# Altium PCB EIT_Teensy_PCBMain.PcbDoc (part 2 of 2) (continued)
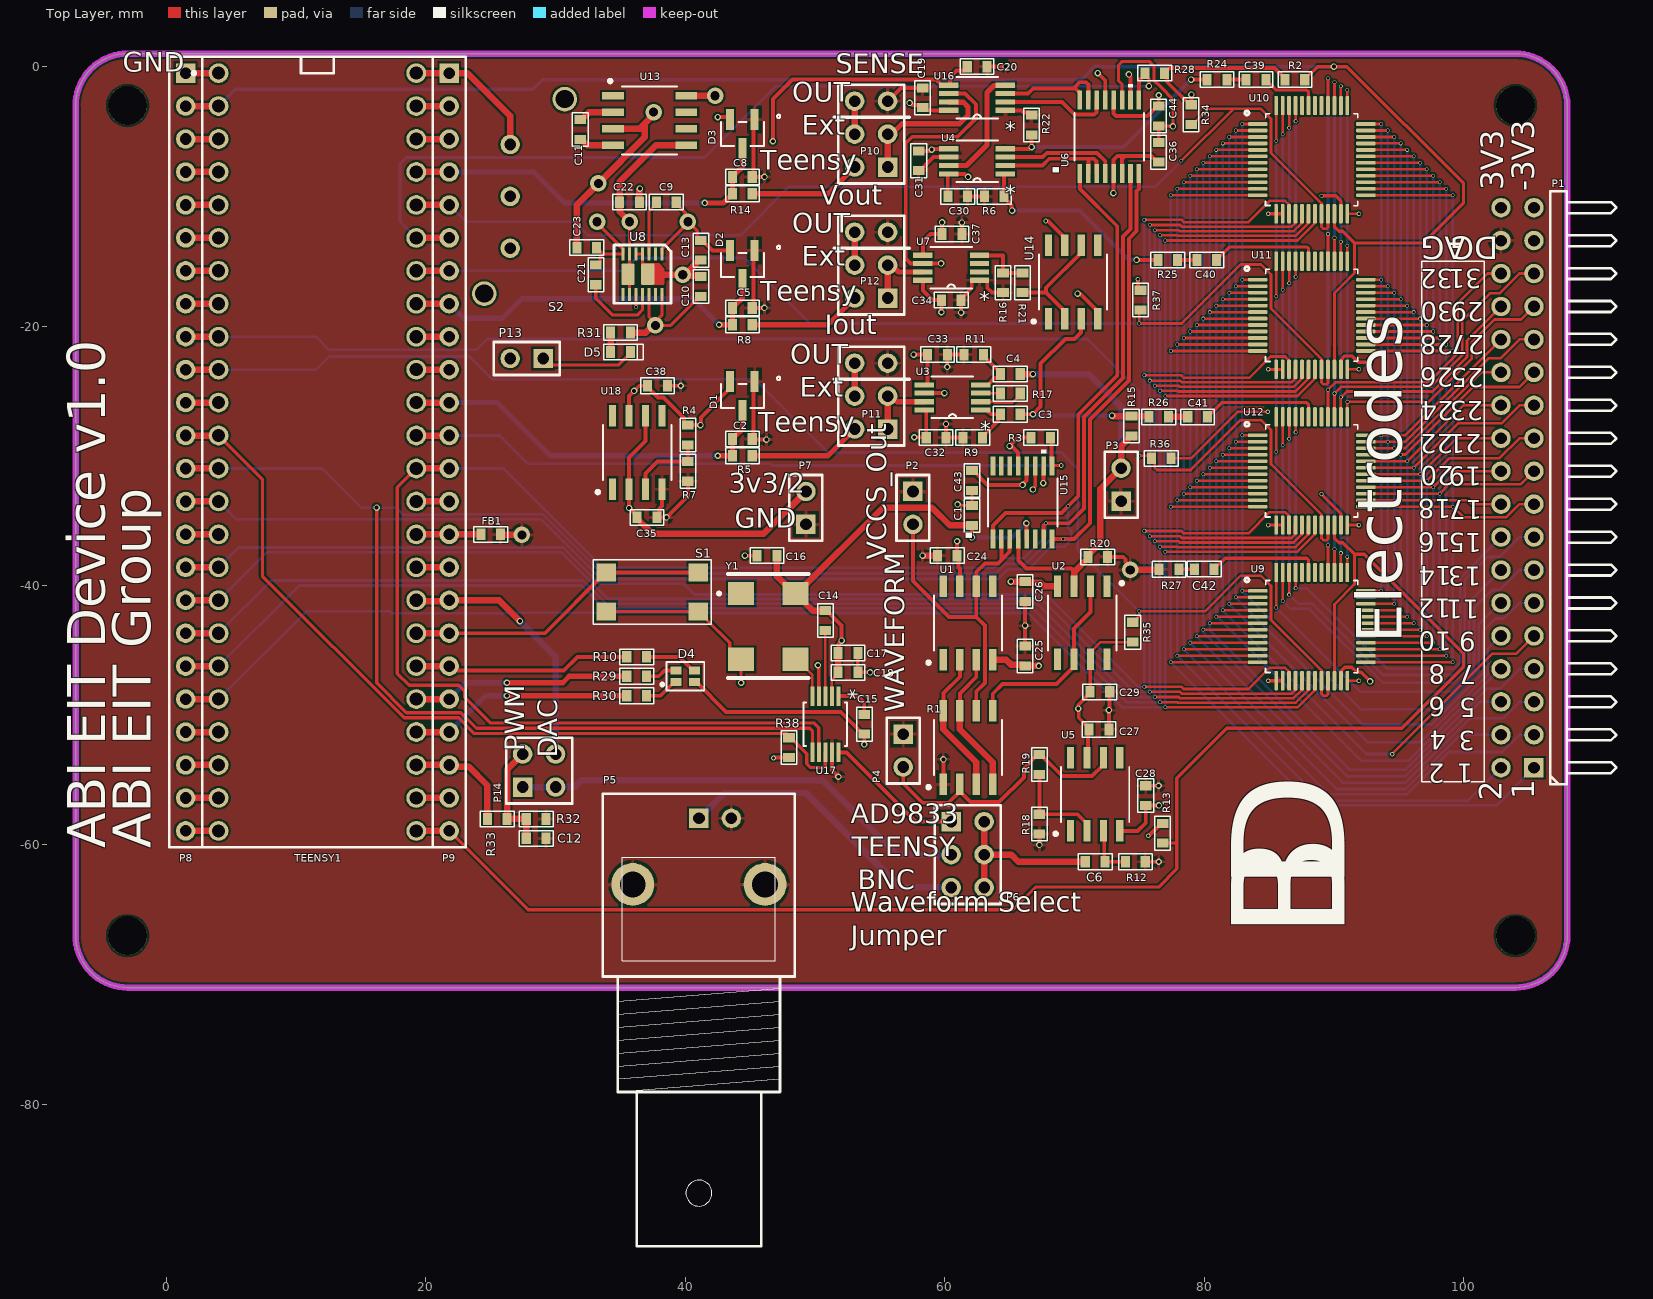
[diagram p0: Top Layer view]
## Nets (pads, with @x,y where several pads share a name; then routed paths per layer and width w, separated by ;. In a path a pad name is that pad's centre, name@x,y a point inside that pad or via, vN(x,y) a via of type N, cw(c..) or ccw(c..) an arc to the next point about the centre after c; other vN are vias at no path point) (continued)
  Top Layer w0.5: TEENSY1.33@19.26,-58.92 P9.24@21.8,-58.92
MuxNCS_In+: P9.5 R34.1 TEENSY1.22 U10.20 U10.21 | length 86.6
  Top Layer w0.2: v1(78.25,-7.25) 82.25,-3.25 ; R34.1@79,-4.462 79.1,-4.462 80.312,-3.25 82.25,-3.25 ; U10.21@89.55,-11.34 89.55,-12.383 89.433,-12.5 89.2,-12.5 89.05,-12.35 U10.20@89.05,-11.34 89.05,-10.54 85.158,-6.648 85.158,-4.028 84.38,-3.25 82.25,-3.25
  Top Layer w0.5: TEENSY1.22@19.26,-10.66 P9.5@21.8,-10.66
  Bottom Layer w0.2: P9.5@21.8,-10.66 23.094,-11.954 31.454,-11.954 32.5,-13 44.25,-13 48,-9.25 76.261,-9.25 78.25,-7.26 v1(78.25,-7.25)
MuxNCS_In-: P9.7 R37.1 TEENSY1.20 U11.20 U11.21 | length 83.3
  Top Layer w0.2: R37.1@75.1,-18.762 75,-18.862 v1(75,-19.8) 78.265,-19.8 82.815,-15.25 84.38,-15.25 85.158,-16.028 85.158,-18.648 89.05,-22.54 U11.20@89.05,-23.34 89.05,-24.35 89.2,-24.5 89.433,-24.5 89.55,-24.383 U11.21@89.55,-23.34
  Top Layer w0.5: TEENSY1.20@19.26,-15.74 P9.7@21.8,-15.74
  Bottom Layer w0.2: P9.7@21.8,-15.74 35.26,-15.74 36.25,-14.75 44.574,-14.75 49.624,-19.8 v1(75,-19.8)
MuxNCS_Out+: P8.9 R36.1 TEENSY1.7 U12.20 U12.21 | length 105.3
  Top Layer w0.2: v1(75,-30) 75.738,-30 R36.1@75.938,-30.2 76.188,-30.45 76.188,-30.888 76.4,-31.1 78.965,-31.1 82.815,-27.25 84.38,-27.25 85.158,-28.028 85.158,-30.648 89.05,-34.54 U12.20@89.05,-35.34 89.05,-36.35 89.2,-36.5 89.433,-36.5 89.55,-36.383 U12.21@89.55,-35.34
  Top Layer w0.5: P8.9@1.48,-20.82 TEENSY1.7@4.02,-20.82
  Bottom Layer w0.2: TEENSY1.7@4.02,-20.82 11.522,-20.82 12.536,-21.834 23.916,-21.834 24.75,-21 71,-21 75,-25 v1(75,-30)
MuxNCS_Out-: P8.10 R35.1 TEENSY1.8 U9.20 U9.21 | length 110.1
  Top Layer w0.2: R35.1@74.5,-42.838 74.6,-42.838 74.85,-42.588 74.85,-42.488 74.985,-42.353 74.985,-42.015 v1(75,-42) 80.065,-42 82.815,-39.25 84.38,-39.25 85.158,-40.028 85.158,-42.648 88.51,-46 89.05,-46.54 U9.20@89.05,-47.34 89.05,-48.35 89.2,-48.5 89.433,-48.5 89.55,-48.383 U9.21@89.55,-47.34
  Top Layer w0.5: P8.10@1.48,-23.36 TEENSY1.8@4.02,-23.36
  Bottom Layer w0.2: TEENSY1.8@4.02,-23.36 11.522,-23.36 12.536,-22.346 23.346,-22.346 25.098,-24.098 45.348,-24.098 51,-29.75 69,-29.75 70.25,-31 70.25,-37.25 v1(75,-42)
MuxSelect_A0: P8.16 TEENSY1.24 U9.15 U10.15 U11.15 U12.15 | length 165.9
  Top Layer w0.2: v1@75.395,-23.805 78.233,-23.805 ; v1@75.395,-11.805 78.233,-11.805 ; v1(75.4,-47.8) 78.239,-47.8 78.424,-47.985 83.415,-47.985 85.057,-46.343 86.254,-46.343 86.51,-46.599 86.51,-47.3 U9.15@86.55,-47.34 ; v1(75.4,-35.8) 78.239,-35.8 78.424,-35.985 83.415,-35.985 85.057,-34.343 86.254,-34.343 86.51,-34.599 86.51,-35.3 U12.15@86.55,-35.34 ; 78.239,-23.8 78.424,-23.985 83.485,-23.985 85.127,-22.343 86.254,-22.343 86.51,-22.599 86.51,-23.3 U11.15@86.55,-23.34 ; 78.239,-11.8 78.424,-11.985 83.415,-11.985 85.057,-10.343 86.254,-10.343 86.51,-10.599 86.51,-11.3 U10.15@86.55,-11.34
  Top Layer w0.5: P8.16@1.48,-38.6 TEENSY1.24@4.02,-38.6
  Bottom Layer w0.2: TEENSY1.24@4.02,-38.6 5.546,-37.074 30.576,-37.074 33.354,-39.852 39.854,-39.852 40.694,-40.693 67.793,-40.693 74.9,-47.8 v1(75.4,-47.8) v1(75.4,-35.8) v1(75.4,-23.8) v1(75.4,-11.8)
MuxSelect_A1: P8.17 TEENSY1.25 U9.16 U10.16 U11.16 U12.16 | length 164.8
  Top Layer w0.2: v1@75.795,-12.205 78.135,-12.205 ; v1(75.8,-48.2) 78.14,-48.2 78.278,-48.337 86.754,-48.337 87.01,-48.081 87.01,-47.38 U9.16@87.05,-47.34 ; v1(75.8,-36.2) 78.14,-36.2 78.278,-36.337 86.754,-36.337 87.01,-36.081 87.01,-35.38 U12.16@87.05,-35.34 ; v1(75.8,-24.2) 78.14,-24.2 78.278,-24.337 86.754,-24.337 87.01,-24.081 87.01,-23.38 U11.16@87.05,-23.34 ; 78.14,-12.2 78.278,-12.337 86.754,-12.337 87.01,-12.081 87.01,-11.38 U10.16@87.05,-11.34
  Top Layer w0.5: P8.17@1.48,-41.14 TEENSY1.25@4.02,-41.14
  Bottom Layer w0.2: TEENSY1.25@4.02,-41.14 7.733,-37.427 30.43,-37.427 34.048,-41.045 67.445,-41.045 74.6,-48.2 v1(75.8,-48.2) v1(75.8,-36.2) v1(75.8,-24.2) v1(75.8,-12.2)
MuxSelect_A2: P8.18 TEENSY1.26 U9.17 U10.17 U11.17 U12.17 | length 165.6
  Top Layer w0.2: v1@76.195,-12.605 78.037,-12.605 ; v1(76.2,-48.6) 78.042,-48.6 78.132,-48.69 86.901,-48.69 87.51,-48.081 87.51,-47.38 U9.17@87.55,-47.34 ; v1(76.2,-36.6) 78.042,-36.6 78.132,-36.69 86.901,-36.69 87.51,-36.081 87.51,-35.38 U12.17@87.55,-35.34 ; v1(76.2,-24.6) 78.042,-24.6 78.132,-24.69 86.901,-24.69 87.51,-24.081 87.51,-23.38 U11.17@87.55,-23.34 ; 78.042,-12.6 78.132,-12.69 86.901,-12.69 87.51,-12.081 87.51,-11.38 U10.17@87.55,-11.34
  Top Layer w0.5: P8.18@1.48,-43.68 TEENSY1.26@4.02,-43.68
  Bottom Layer w0.2: TEENSY1.26@4.02,-43.68 8.086,-39.614 32.119,-39.614 33.903,-41.398 67.098,-41.398 74.3,-48.6 v1(76.2,-48.6) v1(76.2,-36.6) v1(76.2,-24.6) v1(76.2,-12.6)
MuxSelect_A3: P8.19 TEENSY1.27 U9.18 U10.18 U11.18 U12.18 | length 167.8
  Top Layer w0.2: v1@76.595,-13.005 77.938,-13.005 ; v1(76.6,-49) 77.944,-49 77.986,-49.042 87.049,-49.042 88.01,-48.081 88.01,-47.38 U9.18@88.05,-47.34 ; v1(76.6,-37) 77.944,-37 77.986,-37.042 87.049,-37.042 88.01,-36.081 88.01,-35.38 U12.18@88.05,-35.34 ; v1(76.6,-25) 77.944,-25 77.986,-25.042 87.049,-25.042 88.01,-24.081 88.01,-23.38 U11.18@88.05,-23.34 ; 77.944,-13 77.986,-13.042 87.049,-13.042 88.01,-12.081 88.01,-11.38 U10.18@88.05,-11.34
  Top Layer w0.5: P8.19@1.48,-46.22 TEENSY1.27@4.02,-46.22
  Bottom Layer w0.2: TEENSY1.27@4.02,-46.22 10.24,-40 32,-40 33.75,-41.75 66.75,-41.75 74,-49 v1(76.6,-49) v1(76.6,-37) v1(76.6,-25) v1(76.6,-13)
MuxSelect_A4: P8.20 TEENSY1.28 U9.19 U10.19 U11.19 U12.19 | length 168.7
  Top Layer w0.2: v1(77,-49.4) 77.005,-49.395 87.196,-49.395 88.51,-48.081 88.51,-47.38 U9.19@88.55,-47.34 ; v1(77,-37.4) 77.005,-37.395 87.196,-37.395 88.51,-36.081 88.51,-35.38 U12.19@88.55,-35.34 ; v1@77.005,-25.395 87.196,-25.395 88.51,-24.081 88.51,-23.38 U11.19@88.55,-23.34 ; v1@77.005,-13.395 v1(77,-13.4) 87.191,-13.4 ; 87.196,-13.395 88.51,-12.081 88.51,-11.38 U10.19@88.55,-11.34
  Top Layer w0.5: P8.20@1.48,-48.76 TEENSY1.28@4.02,-48.76
  Bottom Layer w0.2: TEENSY1.28@4.02,-48.76 10.78,-42 17.25,-42 17.404,-42.154 26.644,-42.154 26.696,-42.102 42.025,-42.102 42.048,-42.125 66.425,-42.125 73.7,-49.4 v1(77,-49.4) v1(77,-37.4) v1(77,-25.4) v1(77,-13.4)
NetC3_2: C3.2 R9.2 U3.1 | length 4.1
  Top Layer w0.3: U3.1@62.784,-26.465 63.318,-26.465 63.384,-26.531 63.384,-26.624 63.559,-26.8 C3.2@64.3,-26.8 64.1,-27 64.1,-27.324 62.924,-28.5 R9.2@62.924,-28.6
NetC4_2: C4.2 R11.1 U3.4 | length 4
  Top Layer w0.3: U3.4@62.784,-24.535 63.318,-24.535 63.853,-24 64.1,-24 64.3,-23.8 C4.2@64.3,-23.7 64.3,-23.6 63,-22.3 R11.1@63,-22.2
NetC6_1: C6.1 P6.2 P6.4 P6.6 | length 13.1
  Top Layer w0.5: P6.6@63.04,-63.29 P6.4@63.04,-60.75 ; P6.2@63.04,-58.21 P6.4@63.04,-60.75 ; C6.1@70.838,-61.3 65.68,-61.3 65.13,-60.75 P6.4@63.04,-60.75
NetC6_2: C6.2 R12.2 U5.3 | length 4
  Top Layer w0.3: U5.3@72.235,-58.926 72.298,-58.989 72.298,-61.236 C6.2@72.362,-61.3 R12.2@73.938,-61.3
NetC9_1: C9.1 U8.3 | length 4.2
  Top Layer w0.25: U8.3@37.2,-14.45 37.2,-11.126 37.776,-10.55 C9.1@37.776,-10.45
NetC11_1: C11.1 U13.4 | length 2.5
  Top Layer w0.5: C11.1@31.9,-5.612 32,-5.612 32.443,-6.055 U13.4@34.174,-6.055
NetC11_2: C11.2 U13.2 | length 2.5
  Top Layer w0.5: C11.2@31.9,-4.088 32,-4.088 32.573,-3.515 U13.2@34.174,-3.515
NetC12_2: C12.2 P14.2 R32.1 R33.2 | length 8.5
  Top Layer w0.5: P14.2@27.46,-53 26.262,-54.198 R33.2@26.262,-58 R32.1@27.738,-58 C12.2@27.738,-59.5
NetC15_1: C15.1 U17.1 | length 3.1
  Top Layer w0.3: U17.1@51.8,-48.528 53.328,-48.528 53.8,-49 C15.1@53.8,-49.938
NetC21_1: C21.1 U8.11 | length 6.5
  Top Layer w0.25: C21.1@33.1,-16.812 33.1,-17.85 34.4,-19.15 36.3,-19.15 36.7,-18.75 U8.11@36.7,-17.55
NetC39_1: C39.1 R24.2 | length 1.5
  Top Layer w0.3: R24.2@81.762,-1 C39.1@83.238,-1
NetC40_1: C40.1 R25.2 | length 1.5
  Top Layer w0.3: R25.2@77.962,-14.9 C40.1@79.438,-14.9
NetC41_1: C41.1 R26.2 | length 1.5
  Top Layer w0.5: R26.2@77.262,-27 C41.1@78.738,-27
NetC42_1: C42.1 R27.2 | length 1.2
  Top Layer w0.3: R27.2@78.062,-38.75 79.24,-38.75 C42.1@79.247,-38.743
NetD4_1: D4.1 R30.2 | length 2.7
  Top Layer w0.3: R30.2@37.012,-48.5 38.1,-48.5 39.15,-47.45 D4.1@39.275,-47.45
NetD4_2: D4.2 R29.2 | length 2.4
  Top Layer w0.3: R29.2@37.012,-47 37.956,-47 38.4,-46.556 39.269,-46.556 D4.2@39.275,-46.55
NetD4_3: D4.3 R10.2 | length 4.1
  Top Layer w0.3: R10.2@37.012,-45.5 39.55,-45.5 40.6,-46.55 D4.3@40.725,-46.55
NetD5_1: D5.1 R31.2 | length 1.5
  Top Layer w0.5: D5.1@34.238,-22 R31.2@34.238,-20.5
NetR1_3: R1.3 R1.8 U1.2 | length 11.2
  Top Layer w0.3: R1.8@59.895,-49.674 59.895,-48.305 61.165,-47.035 U1.2@61.165,-45.726
  Top Layer w0.5: R1.8@59.895,-49.674 59.895,-51.095 62.435,-53.635 R1.3@62.435,-55.326
NetR1_4: R1.4 R1.7 U1.3 | length 11.2
  Top Layer w0.3: R1.7@61.165,-49.674 61.165,-48.335 61.299,-48.201 62.435,-47.065 U1.3@62.435,-45.726
  Top Layer w0.5: R1.7@61.165,-49.674 61.165,-51.095 63.705,-53.635 R1.4@63.705,-55.326
NetR1_5: R1.5 U2.2 U2.6 | length 15.2
  Top Layer w0.3: R1.5@63.705,-49.674 63.705,-48.345 64.45,-47.6 68.622,-47.6 69.97,-46.252 U2.6@69.97,-45.7 69.97,-43.33 71.24,-42.06 U2.2@71.24,-40.048
NetR4_1: R4.1 R7.2 U18.3 | length 6.1
  Top Layer w0.3: U18.3@36.935,-32.576 36.935,-31.365 37.862,-30.438 R7.2@40.2,-30.438 R4.1@40.2,-29.162
NetR16_1: R16.1 R21.2 U7.4 | length 4.7
  Top Layer w0.3: U7.4@62.684,-14.535 62.698,-14.548 64.486,-14.548 64.5,-14.562 R16.1@64.5,-15.9 R21.2@66,-15.9
NetR17_1: R17.1 U3.2 | length 3.4
  Top Layer w0.2: U3.2@62.784,-25.83 63.773,-25.83 63.845,-25.902 65.222,-25.902 65.824,-25.3 R17.1@65.824,-25.2
NetR17_2: R17.2 U3.3 | length 1.5
  Top Layer w0.2: U3.3@62.784,-25.17 64.27,-25.17 R17.2@64.3,-25.2
NetR18_2: R18.2 R19.1 U5.2 | length 7.6
  Top Layer w0.3: R19.1@67.3,-54.562 R18.2@67.3,-57.638 70.23,-57.638 70.965,-58.373 U5.2@70.965,-58.926
NetR21_1: R21.1 U14.2 U14.6 | length 9.2
  Top Layer w0.3: R21.1@66,-17.424 67.816,-17.424 ; U14.2@69.265,-19.426 69.265,-18.873 67.816,-17.424 ; U14.6@70.535,-13.774 70.535,-14.327 67.816,-17.046 67.816,-17.424
NetU4_7: U4.7 U16.4 | length 9.3
  Top Layer w0.4: U4.7@60.316,-7.63 61.67,-7.63 63.25,-6.05 63.25,-2 63.799,-1.451 64.668,-1.451 U16.4@64.684,-1.435
Output_Force+: C41.2 U12.43 | length 9.3
  Top Layer w0.254: C41.2@80.262,-27 80.262,-26.9 80.485,-26.677 80.585,-26.677 81.362,-25.9 87.901,-25.9 88.05,-26.049 U12.43@88.05,-27
Output_Force-: C42.2 U9.43 | length 8.7
  Top Layer w0.254: C42.2@80.771,-38.743 80.771,-38.643 80.994,-38.42 81.094,-38.42 81.614,-37.9 87.901,-37.9 88.05,-38.049 U9.43@88.05,-39
Output_IMeasure: C3.1 R15.2 R26.1 U14.3 | length 19.3
  Top Layer w0.3: C3.1@65.824,-26.8 v2(66.8,-26.8) 67.4,-26.2 67.4,-22.9 69.3,-21 70,-21 70.5,-20.5 70.5,-19.461 U14.3@70.535,-19.426
  Top Layer w0.5: v2(72.9,-26.9) 72.938,-26.938 R15.2@74.4,-26.938 74.431,-26.969 75.707,-26.969 R26.1@75.738,-27
  Bottom Layer w0.3: v2(66.8,-26.8) 66.854,-26.8 66.954,-26.9 v2(72.9,-26.9)
SenseAmp_In+: R22.1 R24.1 U4.4 | length 18.9
  Top Layer w0.3: U4.4@64.562,-6.269 64.628,-6.335 U4.4@64.684,-6.335 66.511,-6.335 66.646,-6.2 v2(66.7,-6.2) R22.1@66.7,-5.262 ; v2(79,-1) R24.1@80.238,-1
  Bottom Layer w0.3: v2(66.7,-6.2) 73.8,-6.2 v2(79,-1)
SenseAmp_In-: R6.2 R25.1 U4.1 | length 16
  Top Layer w0.3: U4.1@64.684,-8.265 64.652,-8.265 64.586,-8.331 64.586,-10.1 65.162,-10.676 65.162,-11.062 v2(65.2,-11.1) ; v2(74.8,-14.9) R25.1@76.438,-14.9
  Bottom Layer w0.3: v2(65.2,-11.1) 70.4,-11.1 74.162,-14.862 74.762,-14.862 v2(74.8,-14.9)
SenseGain_1B: U4.3 U6.4 | length 9
  Top Layer w0.3: U4.3@64.684,-6.97 67.547,-6.97 67.87,-6.648 71.748,-6.648 72.375,-7.275 U6.4@72.375,-8.219
SenseGain_1W: U4.2 U6.2 U6.3 | length 9.4
  Top Layer w0.3: U4.2@64.684,-7.63 67.527,-7.63 68.057,-7.1 71,-7.1 ; U6.2@71.075,-8.219 71.075,-7.175 71,-7.1 ; U6.3@71.725,-8.219 71.7,-8.194 71.7,-7.3 71.5,-7.1 71,-7.1
SenseGain_2B: U6.14 U16.2 | length 8.4
  Top Layer w0.3: U16.2@64.684,-2.73 69.03,-2.73 70,-3.7 71.524,-3.7 71.7,-3.524 71.7,-2.606 U6.14@71.725,-2.581
SenseGain_2W: U6.15 U6.16 U16.3 | length 9.2
  Top Layer w0.3: U16.3@64.684,-2.07 66.43,-2.07 66.83,-1.67 70.068,-1.67 ; U6.16@70.425,-2.581 70.425,-2.027 70.068,-1.67 ; U6.15@71.075,-2.581 71.075,-1.376 70.899,-1.2 70.4,-1.2 70.034,-1.566 70.068,-1.6 70.068,-1.67
SigGen_External: P5.1 P6.5 | length 23.3
  Top Layer w0.5: P6.5@60.46,-63.25 P6.5@60.5,-63.29
  Bottom Layer w0.5: P5.1@41.05,-57.95 43,-56 49.3,-56 56.55,-63.25 P6.5@60.46,-63.25
SigGen_Teensy: P6.3 P14.1 P14.3 | length 35.6
  Bottom Layer w0.5: P14.1@27.46,-55.54 P14.3@30,-55.54 30.04,-55.5 31.5,-55.5 32,-55 50.55,-55 56.3,-60.75 P6.3@60.5,-60.75
SigGen_TeensyDAC: P9.17 P14.4 TEENSY1.A21 | length 20.1
  Top Layer w0.5: TEENSY1.A21@19.32,-41.2 21.86,-41.2 P9.17@21.8,-41.14 25.64,-41.14 v2(27.25,-42.75)
  Bottom Layer w0.5: v2(27.25,-42.75) 30,-45.5 P14.4@30,-53
SigGen_TeensyPWM: P9.22 R33.1 TEENSY1.35 | length 8.7
  Top Layer w0.5: TEENSY1.35@19.26,-53.84 P9.22@21.8,-53.84 21.922,-53.962 23.3,-53.962 24.738,-55.4 R33.1@24.738,-58
SPI_CLK: P9.13 TEENSY1.14 U6.7 U15.7 U17.7 | length 138.6
  Top Layer w0.254: TEENSY1.14@19.26,-30.98 17.8,-32.44 17.8,-46.8 18.7,-47.7 22.551,-47.7 23,-48.149 23,-48.606 25,-50.606 49.932,-50.606 50.3,-50.975 U17.7@50.3,-52.872
  Top Layer w0.3: U15.7@67.625,-36.419 67.625,-35.376 v1(67.801,-35.2) 69.6,-35.2 70.748,-34.052 70.748,-27.013 73.752,-24.008 73.752,-13.082 74.325,-12.509 U6.7@74.325,-8.219
  Top Layer w0.5: TEENSY1.14@19.26,-30.98 P9.13@21.8,-30.98
  Bottom Layer w0.2: P9.13@21.8,-30.98 25.977,-30.98 33.645,-38.648 63.752,-38.648 64.502,-37.898 66.102,-37.898 67.801,-36.199 v1(67.801,-35.2)
SPI_MISO: P8.14 TEENSY1.12 U6.1 U15.1 | length 110.6
  Top Layer w0.3: U15.1@63.725,-36.419 63.725,-35.375 64.7,-34.4 69,-34.4 v1(69.508,-33.892) 70.295,-33.105 70.295,-26.825 73.3,-23.82 73.3,-12.3 70.425,-9.425 U6.1@70.425,-8.219
  Top Layer w0.5: P8.14@1.48,-33.52 TEENSY1.12@4.02,-33.52
  Bottom Layer w0.2: TEENSY1.12@4.02,-33.52 5.4,-34.9 28.9,-34.9 33.5,-39.5 64.105,-39.5 64.855,-38.75 66.455,-38.75 68.205,-37 69.25,-37 69.75,-36.5 69.75,-35.75 69.508,-35.508 v1(69.508,-33.892)
SPI_MOSI: P8.13 TEENSY1.11 U6.8 U15.8 U17.6 | length 154.4
  Top Layer w0.254: v2(16.2,-34) 16.2,-47.5 18.501,-49.801 22.69,-49.801 23.902,-51.013 49.6,-51.013 49.8,-51.213 U17.6@49.8,-52.872
  Top Layer w0.3: U15.8@68.275,-36.419 v1(69.128,-36.419) 69.981,-36.419 71.2,-35.2 71.2,-27.2 74.205,-24.195 74.205,-13.269 74.795,-12.679 74.795,-9.737 74.8,-9.732 74.8,-9.6 74.975,-9.425 U6.8@74.975,-8.219
  Top Layer w0.5: P8.13@1.48,-30.98 TEENSY1.11@4.02,-30.98
  Bottom Layer w0.2: TEENSY1.11@4.02,-30.98 11.98,-30.98 15,-34 v2(16.2,-34) 17.713,-34 18.248,-34.534 21.588,-34.534 21.6,-34.522 29.021,-34.522 33.572,-39.074 63.928,-39.074 64.678,-38.324 66.278,-38.324 68.183,-36.419 v1(69.128,-36.419)
Teensy_A22: P9.16 TEENSY1.A22 | length 2.5
  Top Layer w0.5: TEENSY1.A22@19.26,-38.6 P9.16@21.8,-38.6
Teensy_Button: P9.18 S1.3 S1.4 TEENSY1.39 | length 23.7
  Top Layer w0.3: P9.18@21.8,-43.68 29.17,-43.68 33.85,-39 S1.3@33.9,-39 S1.4@41,-39
  Top Layer w0.5: TEENSY1.39@19.26,-43.68 P9.18@21.8,-43.68
Teensy_Pin1: P8.3 TEENSY1.1 | length 2.5
  Top Layer w0.5: P8.3@1.48,-5.58 TEENSY1.1@4.02,-5.58
Teensy_Pin2: P8.4 TEENSY1.2 | length 2.5
  Top Layer w0.5: P8.4@1.48,-8.12 TEENSY1.2@4.02,-8.12
Teensy_Pin3: P8.5 TEENSY1.3 | length 2.5
  Top Layer w0.5: P8.5@1.48,-10.66 TEENSY1.3@4.02,-10.66
Teensy_Pin4: P8.6 TEENSY1.4 | length 2.5
  Top Layer w0.5: P8.6@1.48,-13.2 TEENSY1.4@4.02,-13.2
Teensy_Pin5: P8.7 TEENSY1.5 | length 2.5
  Top Layer w0.5: P8.7@1.48,-15.74 TEENSY1.5@4.02,-15.74
Teensy_Pin6: P8.8 TEENSY1.6 | length 2.5
  Top Layer w0.5: P8.8@1.48,-18.28 TEENSY1.6@4.02,-18.28
Teensy_Pin9: P8.11 TEENSY1.9 | length 2.5
  Top Layer w0.5: P8.11@1.48,-25.9 TEENSY1.9@4.02,-25.9
Teensy_Pin13: P9.14 TEENSY1.13 | length 2.5
  Top Layer w0.5: TEENSY1.13@19.26,-33.52 P9.14@21.8,-33.52
Teensy_Pin17: P9.10 TEENSY1.17 | length 2.5
  Top Layer w0.5: TEENSY1.17@19.26,-23.36 P9.10@21.8,-23.36
Teensy_Pin18: P9.9 TEENSY1.18 | length 2.5
  Top Layer w0.5: TEENSY1.18@19.26,-20.82 P9.9@21.8,-20.82
Teensy_Pin19: C5.1 D2.3 P9.8 R8.2 TEENSY1.19 | length 29.8
  Top Layer w0.4: v2(42.6,-19.9) R8.2@43.638,-19.9 C5.1@43.638,-18.6 ; C5.1@43.788,-18.35 43.88,-18.35 44.4,-17.83 D2.3@44.4,-16.418
  Top Layer w0.5: TEENSY1.19@19.26,-18.28 P9.8@21.8,-18.28
  Bottom Layer w0.4: P9.8@21.8,-18.28 22.92,-19.4 25.9,-19.4 27.4,-17.9 40.6,-17.9 v2(42.6,-19.9)
Teensy_Pin23: C8.1 D3.3 P9.4 R14.2 TEENSY1.23 | length 29.6
  Top Layer w0.4: v2(41.5,-10.5) 42.938,-10.5 43.388,-10.05 43.488,-10.05 43.638,-9.9 R14.2@43.638,-9.8 C8.1@43.638,-8.5 43.638,-8.4 43.788,-8.25 43.88,-8.25 44.4,-7.73 D3.3@44.4,-6.318
  Top Layer w0.5: TEENSY1.23@19.26,-8.12 P9.4@21.8,-8.12
  Bottom Layer w0.4: P9.4@21.8,-8.12 28.32,-8.12 30.7,-10.5 v2(41.5,-10.5)
Teensy_Pin29: P8.21 TEENSY1.29 | length 2.5
  Top Layer w0.5: P8.21@1.48,-51.3 TEENSY1.29@4.02,-51.3
Teensy_Pin30: P8.22 TEENSY1.30 | length 2.5
  Top Layer w0.5: P8.22@1.48,-53.84 TEENSY1.30@4.02,-53.84
Teensy_Pin31: P8.23 TEENSY1.31 | length 2.5
  Top Layer w0.5: P8.23@1.48,-56.38 TEENSY1.31@4.02,-56.38
Teensy_Pin32: P8.24 TEENSY1.32 | length 2.5
  Top Layer w0.5: P8.24@1.48,-58.92 TEENSY1.32@4.02,-58.92
Teensy_Pin34: P9.23 TEENSY1.34 | length 2.5
  Top Layer w0.5: TEENSY1.34@19.26,-56.38 P9.23@21.8,-56.38
VCCS_OpampOut: P2.2 R1.6 U1.6 U15.2 U15.3 | length 27.5
  Top Layer w0.3: P2.2@57.55,-35.29 57.55,-39.65 60.335,-42.435 62.435,-42.435 ; R1.6@62.435,-49.674 62.435,-48.179 63.1,-47.514 63.1,-43.1 62.435,-42.435 ; U15.2@64.375,-36.419 64.375,-38.025 ; U15.3@65.025,-36.419 64.998,-36.447 64.998,-37.402 64.375,-38.025 ; 62.435,-42.435 U1.6@62.435,-40.074 62.435,-38.965 63.1,-38.3 64.1,-38.3 64.375,-38.025
VCCS_Out+: C4.1 P3.2 R15.1 R20.1 U2.3 U15.4 | length 33.6
  Top Layer w0.3: U15.4@65.675,-36.419 65.675,-38.075 66.3,-38.7 69.761,-38.7 69.999,-38.939
  Top Layer w0.5: C4.1@65.824,-23.7 v2(66.8,-23.7) ; U2.3@69.97,-40.048 69.999,-40.019 69.999,-38.939 71.038,-37.9 R20.1@71.038,-37.8 71.038,-37.7 72,-36.738 72,-32.56 P3.2@73.6,-30.96 73.6,-29.262 74.2,-28.662 74.2,-28.562 74.3,-28.462 R15.1@74.4,-28.462 74.5,-28.462 R15.1@74.6,-28.562
  Bottom Layer w0.5: v2(66.8,-23.7) 71.1,-23.7 73.6,-26.2 P3.2@73.6,-30.96
VCCS_WaveformIn: P4.2 R1.2 R19.2 U5.6 | length 22.1
  Top Layer w0.3: P4.2@56.8,-54 56.8,-55.25 58.3,-56.75 60.293,-56.75 R1.2@61.165,-55.878 ; R1.2@61.165,-55.326 R1.2@61.165,-55.878 ; U5.6@72.235,-53.274 72.235,-53.827 71.362,-54.7 69.062,-54.7 67.4,-53.038 R19.2@67.3,-53.038 67.1,-53.238 66.962,-53.238 66.1,-54.1 66.1,-54.8 64.2,-56.7 61.987,-56.7 R1.2@61.165,-55.878
VCCSFB_Buffered: P12.1 P12.3 U7.7 | length 5.5
  Top Layer w0.4: P12.3@55.6,-15.3 55.898,-15.3 56.428,-15.83 U7.7@58.316,-15.83
  Top Layer w0.5: P12.1@55.6,-17.84 P12.3@55.6,-15.3
VCCSFB_External: P12.4 P12.6 | length 2.5
  Top Layer w0.5: P12.4@53.06,-15.3 P12.6@53.06,-12.76
VCCSFB_Teensy: P12.2 R8.1 | length 8.8
  Top Layer w0.4: R8.1@45.162,-19.9 51,-19.9 P12.2@53.06,-17.84
VMeasure_Buffered: P10.1 P10.3 U16.7 | length 11.6
  Top Layer w0.4: P10.3@55.6,-5.2 55.898,-5.2 56.698,-4.4 61.148,-4.4 61.8,-3.748 61.8,-3.1 61.446,-2.746 60.331,-2.746 U16.7@60.316,-2.73
  Top Layer w0.5: P10.1@55.6,-7.74 P10.3@55.6,-5.2
VMeasure_External: P10.4 P10.6 | length 2.5
  Top Layer w0.5: P10.4@53.06,-5.2 P10.6@53.06,-2.66
VMeasure_Teensy: P10.2 R14.1 | length 8.8
  Top Layer w0.4: R14.1@45.162,-9.8 51,-9.8 P10.2@53.06,-7.74
pads on no net: S2. S2.1 U1.1 U1.5 U1.8 U2.1 U2.5 U2.8 U5.1 U5.5 U5.8 U7.2 U7.3 U8.2 U8.8 U8.13 U9.41 U9.42 U9.44 U10.41 U10.42 U10.44 U11.41 U11.42 U11.44 U12.41 U12.42 U12.44 U13.1 U13.6 U13.7 U14.1 U14.5 U14.8 U15.6 U15.14 U15.15 U15.16 U18.1 U18.5 U18.8 Y1.1

## Polygon pours and split planes (outlines as drawn)
3V3 on PWR Layer "3v3_Plane" (solid, pour order 8): -7,-69.73 ccw(c-5.73,-69.73) -5.73,-71 106.73,-71 ccw(c106.73,-69.73) 108,-69.73 108,-0.27 ccw(c106.73,-0.27) 106.73,1 -5.73,1 ccw(c-5.73,-0.27) -7,-0.27
AGND on GND Layer "AGND_Plane" (solid, pour order 7): -7,-69.73 ccw(c-5.73,-69.73) -5.73,-71 106.73,-71 ccw(c106.73,-69.73) 108,-69.73 108,-0.27 ccw(c106.73,-0.27) 106.73,1 -5.73,1 ccw(c-5.73,-0.27) -7,-0.27
AGND on Bottom Layer "AGND_BOT" (solid, pour order 6): -7,-69.73 ccw(c-5.73,-69.73) -5.73,-71 106.73,-71 ccw(c106.73,-69.73) 108,-69.73 108,-0.27 ccw(c106.73,-0.27) 106.73,1 -5.73,1 ccw(c-5.73,-0.27) -7,-0.27
AGND on Top Layer "AGND_TOP" (solid, pour order 5): -7,-67 ccw(c-3,-67) -3,-71 104,-71 ccw(c104,-67) 108,-67 108,-3 ccw(c104,-3) 104,1 -3,1 ccw(c-3,-3) -7,-3

## Keep-outs
Keep-Out Layer:
  the board outline again, w0.5

## Silkscreen, mask and mechanical layers (free items; w line width, h text height)
Top Overlay:
  lines w0.1: 96.774,-55.118 96.774,-14.986 101.6,-14.986 101.6,-55.118 96.774,-55.118
  lines w0.3: 51.5,-24.1 57.25,-24.1 ; 51.5,-14 57.25,-14 ; 51.5,-3.9 57.25,-3.9
  text "GND" at -3.362,-0.9 h2.6
  text "SENSE" at 51.594,-1 h2.6
  text "OUT" at 48.234,-3.219 h2.6
  text "Ext" at 48.96,-5.74 h2.6
  text "Teensy" at 45.782,-8.441 h2.6
  text "Vout" at 50.349,-11.141 h2.6
  text "AG" at 100.189,-12.533 h3 r180
  text "DG" at 102.67,-12.533 h3 r180
  text "OUT" at 48.234,-13.319 h2.6
  text "31" at 101.399,-15.107 h2.5 r180
  text "32" at 99.219,-15.12 h2.5 r180
  text "Ext" at 48.96,-15.84 h2.6
  text "30" at 99.259,-17.648 h2.5 r180
  text "29" at 101.577,-17.651 h2.5 r180
  text "Teensy" at 45.782,-18.541 h2.6
  text "28" at 99.222,-20.195 h2.5 r180
  text "27" at 101.608,-20.222 h2.5 r180
  text "Iout" at 50.762,-21.141 h2.6
  text "26" at 99.214,-22.73 h2.5 r180
  text "25" at 101.576,-22.763 h2.5 r180
  text "OUT" at 48.085,-23.419 h2.6
  text "24" at 99.255,-25.308 h2.5 r180
  text "23" at 101.54,-25.31 h2.5 r180
  text "Ext" at 48.811,-25.94 h2.6
  text "22" at 99.209,-27.841 h2.5 r180
  text "21" at 101.39,-27.828 h2.5 r180
  text "Teensy" at 45.633,-28.641 h2.6
  text "20" at 99.25,-30.324 h2.5 r180
  text "19" at 101.409,-30.327 h2.5 r180
  text "18" at 99.054,-32.866 h2.5 r180
  text "17" at 101.44,-32.924 h2.5 r180
  text "3v3/2" at 43.35,-33.371 h2.6
  text "16" at 99.046,-35.427 h2.5 r180
  text "15" at 101.408,-35.49 h2.5 r180
  text "GND" at 43.822,-36.045 h2.6
  text "VCCS_Out" at 56,-38.016 h2.6 r90
  text "14" at 99.087,-38.007 h2.5 r180
  text "13" at 101.372,-38.053 h2.5 r180
  text "12" at 99.041,-40.54 h2.5 r180
  text "11" at 101.222,-40.596 h2.5 r180
  text "10" at 99.082,-43.048 h2.5 r180
  text "9" at 100.948,-43.093 h2.5 r180
  text "Electrodes" at 96.4,-44.441 h6 r90
  text "8" at 98.589,-45.595 h2.5 r180
  text "7" at 101.001,-45.664 h2.5 r180
  text "6" at 98.585,-48.12 h2.5 r180
  text "5" at 100.939,-48.177 h2.5 r180
  text "WAVEFORM" at 57.401,-49.78 h2.6 r90
  text "4" at 98.658,-50.698 h2.5 r180
  text "3" at 100.893,-50.724 h2.5 r180
  text "PWM" at 28.085,-52.79 h2.6 r90
  text "2" at 98.553,-53.231 h2.5 r180
  text "1" at 100.737,-53.231 h2.5 r180
  text "DAC" at 30.625,-53.279 h2.6 r90
  text "AD9833" at 52.757,-58.835 h2.6
  text "ABI EIT Device v1.0" at -3.75,-60.25 h5 r90
  text "ABI EIT Group" at -0.25,-60.25 h5 r90
  text "TEENSY" at 52.844,-61.375 h2.6
  text "D" at 93.712,-63.65 h15 r90
  text "BNC" at 53.31,-63.915 h2.6
  text "B" at 93.713,-67.3 h15 r90
  text "Waveform Select / Jumper" at 52.77,-68.25 h2.6
Top Solder:
  text "E" at 93.695,-65.258 h15 r90
Mechanical 1:
  the board outline again, w0.3

## Text inside footprints (layer, text, board x,y; h text height)
P1: Top Overlay "-3V3" at 106.025,-9.598 h3 r90; Top Overlay "1" at 106.025,-56.471 h3 r90; Top Overlay "2" at 103.536,-56.596 h3 r90; Top Overlay "3V3" at 103.625,-9.545 h3 r90
U3: Top Overlay "*" at 63.597,-26.77 h1.27 r180; Mechanical 13 "*" at 63.597,-26.77 h1.27 r180
U4: Top Overlay "*" at 65.497,-8.57 h1.27 r180; Mechanical 13 "*" at 65.497,-8.57 h1.27 r180
U6: Mechanical 13 "*" at 71.493,-7.584 h1.27 r90
U7: Top Overlay "*" at 63.497,-16.77 h1.27 r180; Mechanical 13 "*" at 63.497,-16.77 h1.27 r180
U15: Mechanical 13 "*" at 64.794,-35.784 h1.27 r90
U16: Top Overlay "*" at 65.497,-3.67 h1.27 r180; Mechanical 13 "*" at 65.497,-3.67 h1.27 r180
U17: Top Overlay "*" at 52.003,-47.957 h1.27 r270; Mechanical 13 "*" at 51.003,-49.214 h1.27 r270